# KiCad board VCF_VCA_BBD_board.kicad_pcb
title: Josh Ox Ribbon Synth VCF/VCA/BBD board; date: 2023-01-15; rev: 1.0; note: creativecommons.org/licences/by/4.0; note: license: CC by 4.0; note: Author: Jordan Aceto
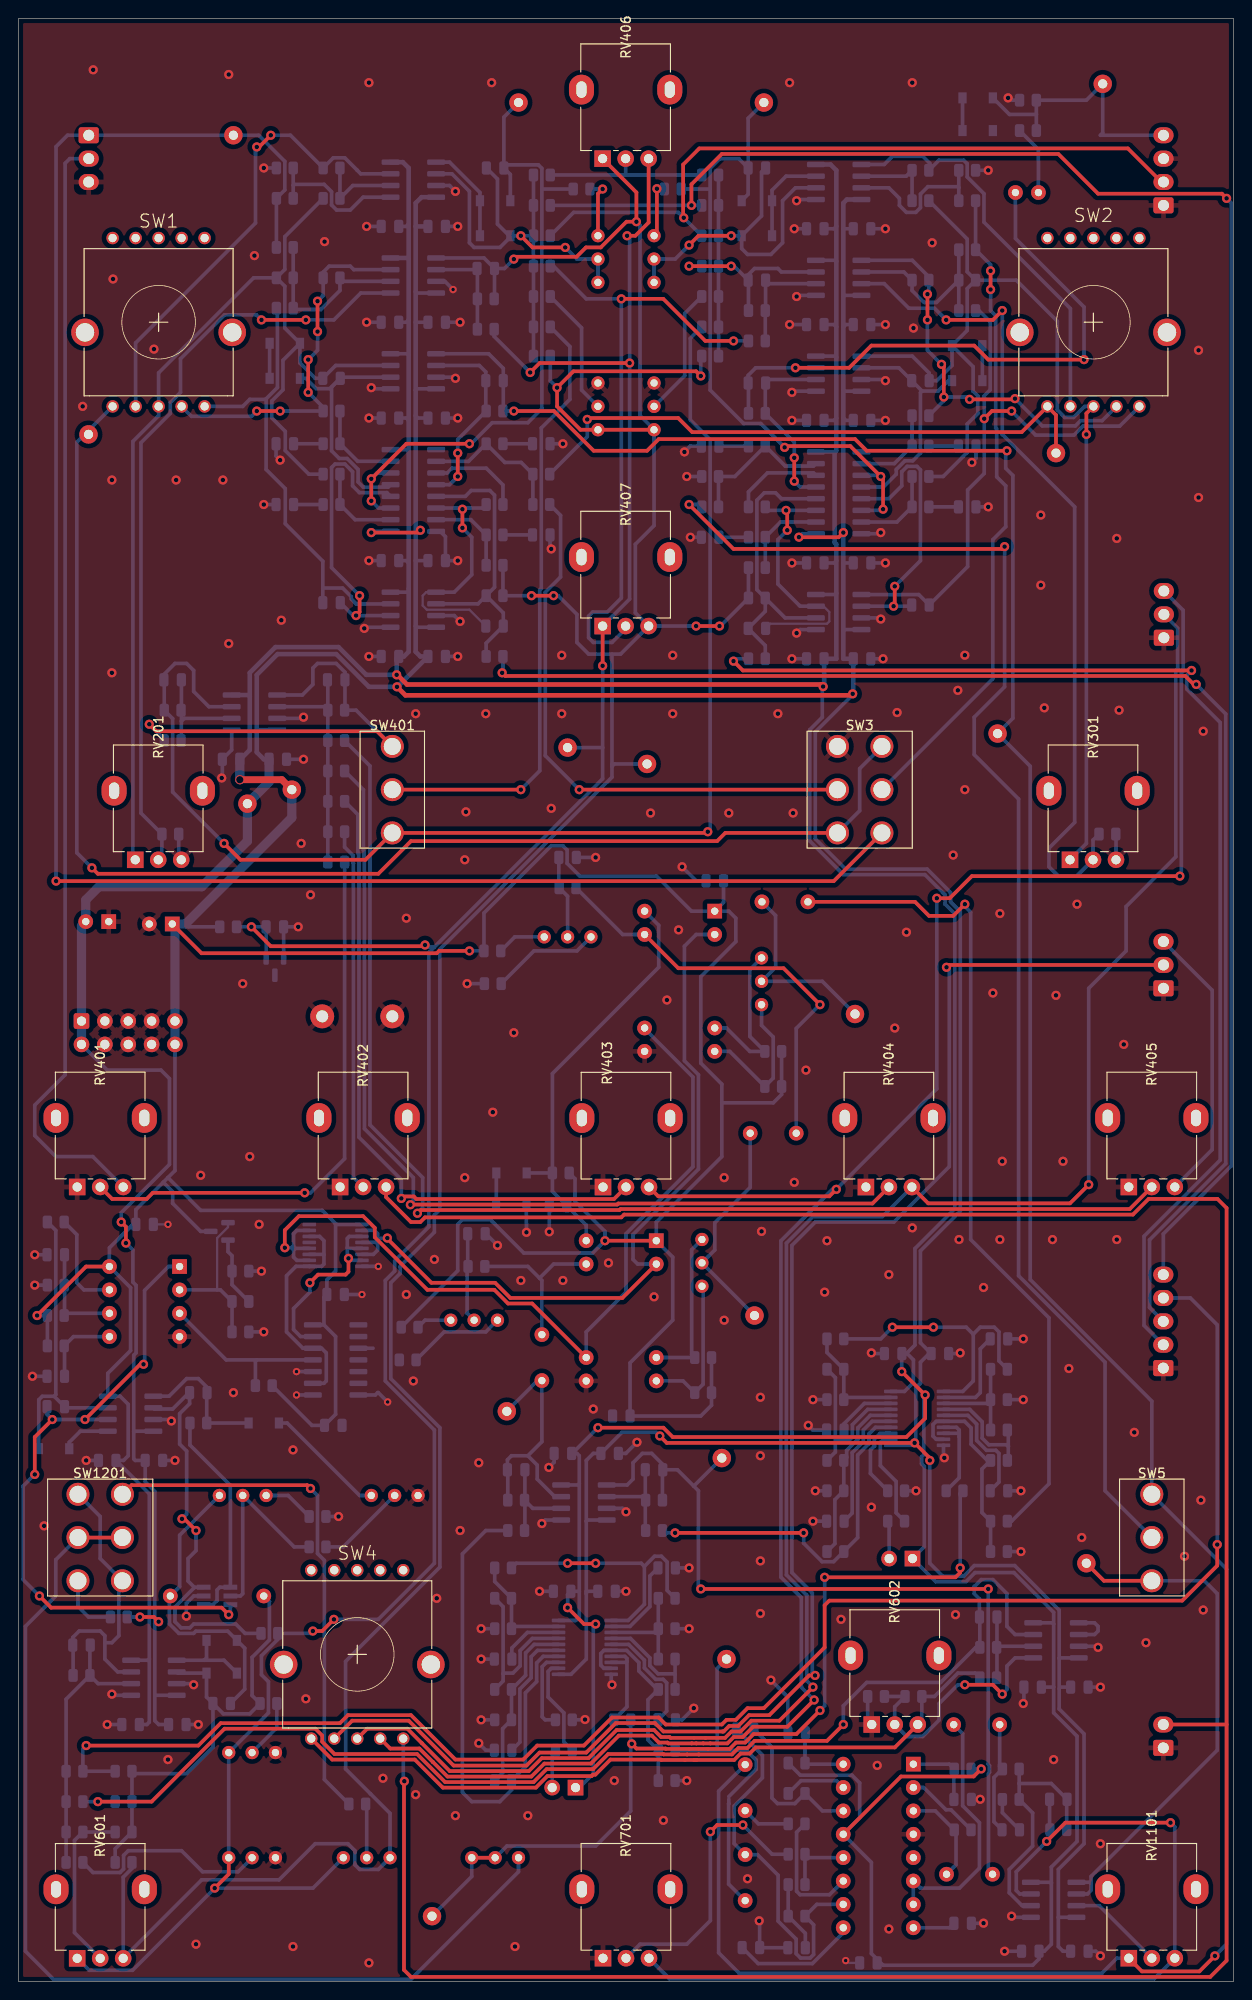
[diagram p0: board, top side]
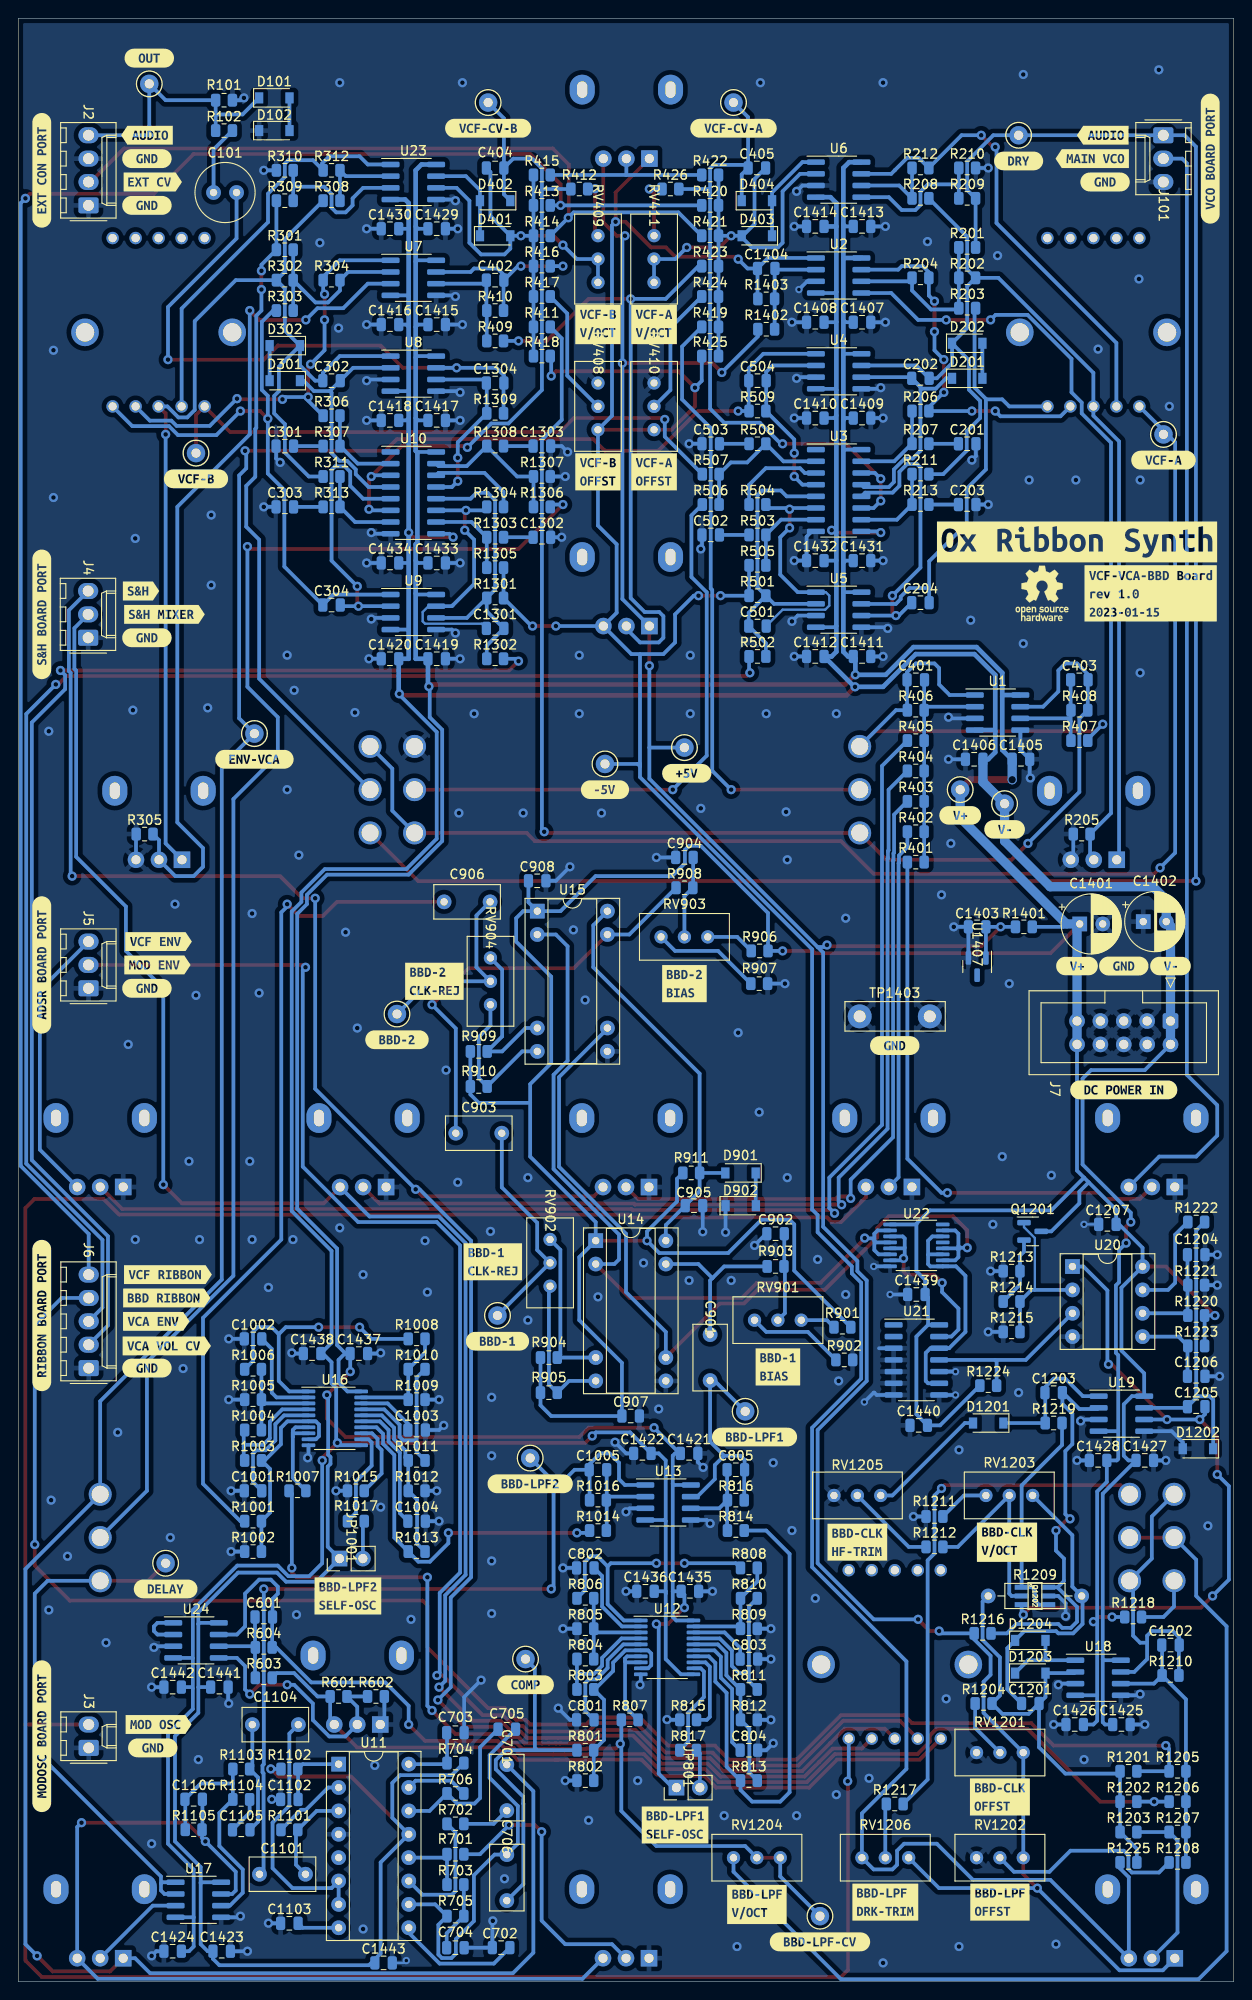
[diagram p1: board, bottom side, seen from below]

Outline 132.08 x 213.36 mm; copper layers: Top, Bottom. Coordinates in mm from the lower left corner of the outline.
Outline path: 0,213.36 0,0 132.08,0 132.08,213.36 0,213.36
Stack: Top 0.035mm / dielectric 1.51mm FR4 er 4.5 / Bottom 0.035mm

## Placement (name value [footprint] x y rotation side)
C101  10u  [C_Radial_D6.3mm_H7.0mm_P2.50mm]  108.37 194.44 0 bottom
C201  1n  [C_0805_2012Metric]  28.96 167.13 180 bottom
C202  220p C0G  [C_0805_2012Metric]  34.04 174.24 180 bottom
C203  1n  [C_0805_2012Metric]  28.96 160.53 180 bottom
C204  220p C0G  [C_0805_2012Metric]  34.04 149.86 180 bottom
C301  1n  [C_0805_2012Metric]  103.12 166.88 0 bottom
C302  220p C0G  [C_0805_2012Metric]  98.04 173.99 0 bottom
C303  1n  [C_0805_2012Metric]  103.12 160.27 0 bottom
C304  220p C0G  [C_0805_2012Metric]  98.04 149.61 0 bottom
C401  100p  [C_0805_2012Metric]  34.54 141.48 0 bottom
C402  100p  [C_0805_2012Metric]  80.26 184.91 180 bottom
C403  100p  [C_0805_2012Metric]  16.76 141.48 180 bottom
C404  100p  [C_0805_2012Metric]  80.26 197.1 180 bottom
C405  100p  [C_0805_2012Metric]  51.82 197.1 0 bottom
C501  100p  [C_0805_2012Metric]  51.75 147.32 180 bottom
C502  1n  [C_0805_2012Metric]  56.83 157.23 0 bottom
C503  1n  [C_0805_2012Metric]  56.83 167.13 0 bottom
C504  100p  [C_0805_2012Metric]  51.75 173.99 0 bottom
C601  100p  [C_0805_2012Metric]  105.41 39.62 180 bottom
C701  470n  [C_Rect_L7.0mm_W3.5mm_P5.00mm]  78.99 18.58 90 bottom
C702  220p  [C_0805_2012Metric]  79.61 3.7 0 bottom
C703  220n  [C_0805_2012Metric]  84.58 27.05 180 bottom
C704  10u  [C_0805_2012Metric]  84.58 3.68 180 bottom
C705  2u2  [C_0805_2012Metric]  78.99 27.43 180 bottom
C706  470n  [C_Rect_L7.0mm_W3.5mm_P5.00mm]  78.99 8.8 90 bottom
C801  220p C0G  [C_0805_2012Metric]  70.46 28.45 0 bottom
C802  220p C0G  [C_0805_2012Metric]  70.46 44.96 0 bottom
C803  220p C0G  [C_0805_2012Metric]  52.68 35.05 180 bottom
C804  220p C0G  [C_0805_2012Metric]  52.68 25.15 180 bottom
C805  470p  [C_0805_2012Metric]  54.1 55.63 180 bottom
C901  470n  [C_Rect_L7.0mm_W3.5mm_P5.00mm]  56.9 70.32 270 bottom
C902  10u  [C_0805_2012Metric]  49.78 81.28 0 bottom
C903  470n  [C_Rect_L7.0mm_W3.5mm_P5.00mm]  84.54 92.2 180 bottom
C904  10u  [C_0805_2012Metric]  59.69 122.17 0 bottom
C905  10u  [C_0805_2012Metric]  58.65 84.33 180 bottom
C906  470n  [C_Rect_L7.0mm_W3.5mm_P5.00mm]  85.81 117.35 180 bottom
C907  100n  [C_0805_2012Metric]  65.53 61.47 180 bottom
C908  100n  [C_0805_2012Metric]  75.69 119.63 180 bottom
C1001  220p C0G  [C_0805_2012Metric]  106.58 53.34 0 bottom
C1002  220p C0G  [C_0805_2012Metric]  106.58 69.85 0 bottom
C1003  220p C0G  [C_0805_2012Metric]  88.8 59.94 180 bottom
C1004  220p C0G  [C_0805_2012Metric]  88.8 50.04 180 bottom
C1005  470p  [C_0805_2012Metric]  69.09 55.63 0 bottom
C1101  470n  [C_Rect_L7.0mm_W3.5mm_P5.00mm]  100.88 11.67 0 bottom
C1102  220n  [C_0805_2012Metric]  102.63 19.8 0 bottom
C1103  220p  [C_0805_2012Metric]  102.63 6.34 0 bottom
C1104  470n  [C_Rect_L7.0mm_W3.5mm_P5.00mm]  106.65 27.93 180 bottom
C1105  1n  [C_0805_2012Metric]  107.86 16.5 180 bottom
C1106  33p  [C_0805_2012Metric]  113.03 19.81 0 bottom
C1201  100p  [C_0805_2012Metric]  22.1 30.23 0 bottom
C1202  100p  [C_0805_2012Metric]  6.86 36.58 180 bottom
C1203  100p  [C_0805_2012Metric]  19.56 64.01 0 bottom
C1204  10n  [C_0805_2012Metric]  4.06 78.99 180 bottom
C1205  470p  [C_0805_2012Metric]  4.06 62.48 0 bottom
C1206  330p C0G  [C_0805_2012Metric]  4.06 65.79 180 bottom
C1207  100n  [C_0805_2012Metric]  13.72 82.3 0 bottom
C1301  100p  [C_0805_2012Metric]  80.26 147.07 0 bottom
C1302  1n  [C_0805_2012Metric]  75.18 156.97 180 bottom
C1303  1n  [C_0805_2012Metric]  75.18 166.88 180 bottom
C1304  100p  [C_0805_2012Metric]  80.26 173.74 180 bottom
C1401  10u  [CP_Radial_D6.3mm_P2.50mm]  16.72 114.94 180 bottom
C1402  10u  [CP_Radial_D6.3mm_P2.50mm]  9.82 115.2 180 bottom
C1403  100n  [C_0805_2012Metric]  27.87 114.63 0 bottom
C1404  100n  [C_0805_2012Metric]  50.8 186.18 0 bottom
C1405  100n  [C_0805_2012Metric]  23.11 132.84 180 bottom
C1406  100n  [C_0805_2012Metric]  28.19 132.84 180 bottom
C1407  100n  [C_0805_2012Metric]  40.39 180.34 180 bottom
C1408  100n  [C_0805_2012Metric]  45.47 180.34 180 bottom
C1409  100n  [C_0805_2012Metric]  40.39 169.93 180 bottom
C1410  100n  [C_0805_2012Metric]  45.47 169.93 180 bottom
C1411  100n  [C_0805_2012Metric]  40.39 144.02 180 bottom
C1412  100n  [C_0805_2012Metric]  45.47 144.02 180 bottom
C1413  100n  [C_0805_2012Metric]  40.39 190.75 180 bottom
C1414  100n  [C_0805_2012Metric]  45.47 190.75 180 bottom
C1415  100n  [C_0805_2012Metric]  86.61 180.09 180 bottom
C1416  100n  [C_0805_2012Metric]  91.69 180.09 180 bottom
C1417  100n  [C_0805_2012Metric]  86.61 169.67 180 bottom
C1418  100n  [C_0805_2012Metric]  91.69 169.67 0 bottom
C1419  100n  [C_0805_2012Metric]  86.61 143.76 180 bottom
C1420  100n  [C_0805_2012Metric]  91.69 143.76 180 bottom
C1421  100n  [C_0805_2012Metric]  59.18 57.4 180 bottom
C1422  100n  [C_0805_2012Metric]  64.26 57.4 180 bottom
C1423  100n  [C_0805_2012Metric]  109.98 3.3 180 bottom
C1424  100n  [C_0805_2012Metric]  115.32 3.3 180 bottom
C1425  100n  [C_0805_2012Metric]  12.19 27.94 180 bottom
C1426  100n  [C_0805_2012Metric]  17.27 27.94 180 bottom
C1427  100n  [C_0805_2012Metric]  9.65 56.64 180 bottom
C1428  100n  [C_0805_2012Metric]  14.73 56.64 180 bottom
C1429  100n  [C_0805_2012Metric]  86.61 190.5 180 bottom
C1430  100n  [C_0805_2012Metric]  91.69 190.5 180 bottom
C1431  100n  [C_0805_2012Metric]  40.39 154.43 180 bottom
C1432  100n  [C_0805_2012Metric]  45.47 154.43 180 bottom
C1433  100n  [C_0805_2012Metric]  86.61 154.18 180 bottom
C1434  100n  [C_0805_2012Metric]  91.69 154.18 180 bottom
C1435  100n  [C_0805_2012Metric]  59.1 42.42 180 bottom
C1436  100n  [C_0805_2012Metric]  63.92 42.42 180 bottom
C1437  100n  [C_0805_2012Metric]  95.08 68.25 180 bottom
C1438  100n  [C_0805_2012Metric]  100.16 68.25 180 bottom
C1439  100n  [C_0805_2012Metric]  34.48 74.68 0 bottom
C1440  100n  [C_0805_2012Metric]  34.22 60.45 0 bottom
C1441  100n  [C_0805_2012Metric]  110.24 32 180 bottom
C1442  100n  [C_0805_2012Metric]  115.32 32 180 bottom
C1443  100n  [C_0805_2012Metric]  92.39 2.03 180 bottom
D101  2v4  [D_SOD-123]  104.27 204.72 180 bottom
D102  2v4  [D_SOD-123]  104.27 201.17 180 bottom
D201  5v1  [D_SOD-123]  28.96 174.24 180 bottom
D202  5v1  [D_SOD-123]  28.96 178.05 180 bottom
D301  5v1  [D_SOD-123]  103.12 173.99 0 bottom
D302  5v1  [D_SOD-123]  103.12 177.8 0 bottom
D401  1N4148W  [D_SOD-123]  80.26 189.74 180 bottom
D402  1N4148W  [D_SOD-123]  80.26 193.55 0 bottom
D403  1N4148W  [D_SOD-123]  51.82 189.74 0 bottom
D404  1N4148W  [D_SOD-123]  51.82 193.55 180 bottom
D901  1N4148W  [D_SOD-123]  53.59 87.88 0 bottom
D902  1N4148W  [D_SOD-123]  53.57 84.33 180 bottom
D1201  1N4148W  [D_SOD-123]  26.67 60.71 0 bottom
D1202  1N4148W  [D_SOD-123]  3.88 57.91 0 bottom
D1203  1N4148W  [D_SOD-123]  22.1 33.53 180 bottom
D1204  1N4148W  [D_SOD-123]  22.1 37.08 180 bottom
J2  ext_port  [Molex_KK-254_AE-6410-04A_1x04_P2.54mm_Vertical]  124.46 193.04 90 bottom
J3  mod_osc_port  [Molex_KK-254_AE-6410-02A_1x02_P2.54mm_Vertical]  124.44 25.4 90 bottom
J4  S&H_port  [Molex_KK-254_AE-6410-03A_1x03_P2.54mm_Vertical]  124.5 146.05 90 bottom
J5  ADSR_port  [Molex_KK-254_AE-6410-03A_1x03_P2.54mm_Vertical]  124.46 107.95 90 bottom
J6  ribbon_port  [Molex_KK-254_AE-6410-05A_1x05_P2.54mm_Vertical]  124.44 66.67 90 bottom
J7  power_entry  [IDC-Header_2x05_P2.54mm_Vertical]  6.86 104.39 270 bottom
J101  VCO_port  [Molex_KK-254_AE-6410-03A_1x03_P2.54mm_Vertical]  7.64 200.66 270 bottom
JP801  self_osc  [PinHeader_1x02_P2.54mm_Vertical]  60.56 21.08 90 bottom
JP1001  self_osc  [PinHeader_1x02_P2.54mm_Vertical]  97.18 45.97 90 bottom
kibuzzard-62AC7A9F  G***  [kibuzzard-62AC7A9F]  17.02 156.46 180 bottom
kibuzzard-62AC78CB  G***  [kibuzzard-62AC78CB]  11.94 96.91 180 bottom
kibuzzard-62AC88AD  G***  [kibuzzard-62AC88AD]  116.84 27.94 180 bottom
kibuzzard-62AC88C6  G***  [kibuzzard-62AC88C6]  116.84 113.03 180 bottom
kibuzzard-62AC88DA  G***  [kibuzzard-62AC88DA]  118.74 151.13 180 bottom
kibuzzard-62AC88EB  G***  [kibuzzard-62AC88EB]  116.2 148.59 180 bottom
kibuzzard-62AC89A8  G***  [kibuzzard-62AC89A8]  129.54 72.39 90 bottom
kibuzzard-62AC89C0  G***  [kibuzzard-62AC89C0]  129.54 110.49 90 bottom
kibuzzard-62AC89D1  G***  [kibuzzard-62AC89D1]  129.54 148.59 90 bottom
kibuzzard-62AC89EA  G***  [kibuzzard-62AC89EA]  129.54 196.85 90 bottom
kibuzzard-62AC755C  G***  [kibuzzard-62AC755C]  118.11 107.95 180 bottom
kibuzzard-62AC755C#2  G***  [kibuzzard-62AC755C]  118.11 66.67 180 bottom
kibuzzard-62AC755C#3  G***  [kibuzzard-62AC755C]  117.48 25.4 180 bottom
kibuzzard-62AC755C#4  G***  [kibuzzard-62AC755C]  36.83 101.73 180 bottom
kibuzzard-62AC755C#5  G***  [kibuzzard-62AC755C]  13.97 195.58 180 bottom
kibuzzard-62AC755C#6  G***  [kibuzzard-62AC755C]  118.11 198.12 180 bottom
kibuzzard-62AC755C#7  G***  [kibuzzard-62AC755C]  118.11 146.05 180 bottom
kibuzzard-62AC755C#8  G***  [kibuzzard-62AC755C]  11.94 110.37 180 bottom
kibuzzard-62AC755C#9  G***  [kibuzzard-62AC755C]  118.11 193.04 180 bottom
kibuzzard-62AC791A  G***  [kibuzzard-62AC791A]  17.02 110.37 180 bottom
kibuzzard-62AC792A  G***  [kibuzzard-62AC792A]  6.86 110.37 180 bottom
kibuzzard-62AC892A  G***  [kibuzzard-62AC892A]  14.22 200.66 180 bottom
kibuzzard-62AC892A#2  G***  [kibuzzard-62AC892A]  118.11 200.66 180 bottom
kibuzzard-62AC8908  G***  [kibuzzard-62AC8908]  117.48 195.58 180 bottom
kibuzzard-62AC8974  G***  [kibuzzard-62AC8974]  2.54 198.12 90 bottom
kibuzzard-62AC8994  G***  [kibuzzard-62AC8994]  129.54 26.67 90 bottom
kibuzzard-63B9EFCB  G***  [kibuzzard-63B9EFCB]  116.97 110.49 180 bottom
kibuzzard-63B9EFF1  G***  [kibuzzard-63B9EFF1]  115.82 76.83 180 bottom
kibuzzard-63B9EFFD  G***  [kibuzzard-63B9EFFD]  115.95 74.29 180 bottom
kibuzzard-63B9F00A  G***  [kibuzzard-63B9F00A]  117.09 71.75 180 bottom
kibuzzard-63B9F01B  G***  [kibuzzard-63B9F01B]  115.95 69.09 180 bottom
kibuzzard-63B89AF0  G***  [kibuzzard-63B89AF0]  62.99 180.09 180 bottom
kibuzzard-63B89B2D  G***  [kibuzzard-63B89B2D]  69.09 164.08 180 bottom
kibuzzard-63B89B7A  G***  [kibuzzard-63B89B7A]  49.53 66.8 180 bottom
kibuzzard-63B89B17  G***  [kibuzzard-63B89B17]  69.09 180.09 180 bottom
kibuzzard-63B89B53  G***  [kibuzzard-63B89B53]  62.99 164.08 180 bottom
kibuzzard-63B89B91  G***  [kibuzzard-63B89B91]  59.69 108.46 180 bottom
kibuzzard-63B89BAB  G***  [kibuzzard-63B89BAB]  86.87 108.71 180 bottom
kibuzzard-63B89BB7  G***  [kibuzzard-63B89BB7]  80.52 78.23 180 bottom
kibuzzard-63B89BDE  G***  [kibuzzard-63B89BDE]  24.63 47.75 180 bottom
kibuzzard-63B89BF5  G***  [kibuzzard-63B89BF5]  40.89 47.75 180 bottom
kibuzzard-63B89C1D  G***  [kibuzzard-63B89C1D]  25.4 20.07 180 bottom
kibuzzard-63B89C2A  G***  [kibuzzard-63B89C2A]  25.4 8.64 180 bottom
kibuzzard-63B89C3A  G***  [kibuzzard-63B89C3A]  51.82 8.38 180 bottom
kibuzzard-63B89C69  G***  [kibuzzard-63B89C69]  37.86 8.64 180 bottom
kibuzzard-63B99CE9  G***  [kibuzzard-63B99CE9]  68.33 129.54 180 bottom
kibuzzard-63B99D3B  G***  [kibuzzard-63B99D3B]  90.93 102.36 180 bottom
kibuzzard-63B99D19  G***  [kibuzzard-63B99D19]  80.01 69.6 180 bottom
kibuzzard-63B99DF4  G***  [kibuzzard-63B99DF4]  52.07 59.18 180 bottom
kibuzzard-63B99E16  G***  [kibuzzard-63B99E16]  76.96 32.26 180 bottom
kibuzzard-63B99E58  G***  [kibuzzard-63B99E58]  44.96 4.32 180 bottom
kibuzzard-63B99E75  G***  [kibuzzard-63B99E75]  76.45 54.1 180 bottom
kibuzzard-63B99E91  G***  [kibuzzard-63B99E91]  7.62 165.35 180 bottom
kibuzzard-63B99EAB  G***  [kibuzzard-63B99EAB]  54.36 201.42 180 bottom
kibuzzard-63B99EC6  G***  [kibuzzard-63B99EC6]  81.03 201.42 180 bottom
kibuzzard-63B99EF8  G***  [kibuzzard-63B99EF8]  112.78 163.32 180 bottom
kibuzzard-63B99F1E  G***  [kibuzzard-63B99F1E]  116.08 42.67 180 bottom
kibuzzard-63B99F4A  G***  [kibuzzard-63B99F4A]  59.44 131.32 180 bottom
kibuzzard-63B99F8A  G***  [kibuzzard-63B99F8A]  23.37 197.87 180 bottom
kibuzzard-63B99F71  G***  [kibuzzard-63B99F71]  106.43 132.84 180 bottom
kibuzzard-63B99FA2  G***  [kibuzzard-63B99FA2]  117.86 209.04 180 bottom
kibuzzard-63B99FDB  G***  [kibuzzard-63B99FDB]  29.72 126.75 180 bottom
kibuzzard-63B99FFA  G***  [kibuzzard-63B99FFA]  24.89 125.22 180 bottom
kibuzzard-63B9873F  G***  [kibuzzard-63B9873F]  60.71 17.02 180 bottom
kibuzzard-63B98756  G***  [kibuzzard-63B98756]  96.27 41.91 180 bottom
kibuzzard-63C31E68  G***  [kibuzzard-63C31E68]  15.37 198.12 180 bottom
kibuzzard-63C4069B  G***  [kibuzzard-63C4069B]  9.02 150.88 180 bottom
Q1201  MMBT3904  [SOT-23]  21.84 81.53 180 bottom
Q1202  BCM847  [SOT457]  21.59 41.91 270 bottom
R101  100k  [R_0805_2012Metric]  109.73 204.47 180 bottom
R102  1k  [R_0805_2012Metric]  109.73 201.17 0 bottom
R201  30k  [R_0805_2012Metric]  28.96 188.47 0 bottom
R202  390k  [R_0805_2012Metric]  28.96 185.17 0 bottom
R203  30k  [R_0805_2012Metric]  28.96 181.86 180 bottom
R204  30k  [R_0805_2012Metric]  34.04 185.17 180 bottom
R205  10k  [R_0805_2012Metric]  16.51 124.71 0 bottom
R206  30k  [R_0805_2012Metric]  34.04 170.69 0 bottom
R207  270  [R_0805_2012Metric]  34.04 167.13 180 bottom
R208  30k  [R_0805_2012Metric]  34.04 193.8 0 bottom
R209  30k  [R_0805_2012Metric]  28.96 193.8 0 bottom
R210  30k  [R_0805_2012Metric]  28.96 197.1 180 bottom
R211  30k  [R_0805_2012Metric]  34.04 163.83 0 bottom
R212  30k  [R_0805_2012Metric]  34.04 197.1 180 bottom
R213  270  [R_0805_2012Metric]  34.04 160.53 180 bottom
R301  30k  [R_0805_2012Metric]  103.12 188.21 180 bottom
R302  390k  [R_0805_2012Metric]  103.12 184.91 180 bottom
R303  30k  [R_0805_2012Metric]  103.12 181.61 0 bottom
R304  30k  [R_0805_2012Metric]  98.04 184.91 0 bottom
R305  10k  [R_0805_2012Metric]  118.36 124.71 0 bottom
R306  30k  [R_0805_2012Metric]  98.04 170.18 180 bottom
R307  270  [R_0805_2012Metric]  98.04 166.88 0 bottom
R308  30k  [R_0805_2012Metric]  98.04 193.55 180 bottom
R309  30k  [R_0805_2012Metric]  103.12 193.55 180 bottom
R310  30k  [R_0805_2012Metric]  103.12 196.85 0 bottom
R311  30k  [R_0805_2012Metric]  98.04 163.58 180 bottom
R312  30k  [R_0805_2012Metric]  98.04 196.85 0 bottom
R313  270  [R_0805_2012Metric]  98.04 160.27 0 bottom
R401  100k  [R_0805_2012Metric]  34.54 121.67 180 bottom
R402  100k  [R_0805_2012Metric]  34.54 124.97 180 bottom
R403  100k  [R_0805_2012Metric]  34.54 128.27 180 bottom
R404  100k  [R_0805_2012Metric]  34.54 131.57 180 bottom
R405  100k  [R_0805_2012Metric]  34.54 134.87 180 bottom
R406  100k  [R_0805_2012Metric]  34.54 138.18 0 bottom
R407  100k  [R_0805_2012Metric]  16.76 134.87 0 bottom
R408  100k  [R_0805_2012Metric]  16.76 138.18 180 bottom
R409  100k  [R_0805_2012Metric]  80.26 178.31 0 bottom
R410  100k  [R_0805_2012Metric]  80.26 181.61 180 bottom
R411  100k  [R_0805_2012Metric]  75.18 179.83 0 bottom
R412  18k  [R_0805_2012Metric]  71.12 194.82 0 bottom
R413  100k  [R_0805_2012Metric]  75.18 193.04 0 bottom
R414  100k  [R_0805_2012Metric]  75.18 189.74 0 bottom
R415  100k  [R_0805_2012Metric]  75.18 196.34 0 bottom
R416  390k  [R_0805_2012Metric]  75.18 186.44 0 bottom
R417  100k  [R_0805_2012Metric]  75.18 183.13 0 bottom
R418  220k  [R_0805_2012Metric]  75.18 176.66 180 bottom
R419  100k  [R_0805_2012Metric]  56.9 179.83 180 bottom
R420  100k  [R_0805_2012Metric]  56.9 193.04 180 bottom
R421  100k  [R_0805_2012Metric]  56.9 189.74 180 bottom
R422  100k  [R_0805_2012Metric]  56.9 196.34 180 bottom
R423  390k  [R_0805_2012Metric]  56.9 186.44 180 bottom
R424  100k  [R_0805_2012Metric]  56.9 183.13 180 bottom
R425  220k  [R_0805_2012Metric]  56.9 176.66 180 bottom
R426  18k  [R_0805_2012Metric]  61.21 194.82 180 bottom
R501  10M  [R_0805_2012Metric]  51.75 150.62 180 bottom
R502  100k  [R_0805_2012Metric]  51.75 144.02 180 bottom
R503  270  [R_0805_2012Metric]  51.75 157.23 0 bottom
R504  4k7  [R_0805_2012Metric]  51.75 160.53 0 bottom
R505  100k  [R_0805_2012Metric]  51.75 153.92 180 bottom
R506  30k  [R_0805_2012Metric]  56.83 160.53 180 bottom
R507  30k  [R_0805_2012Metric]  56.83 163.83 180 bottom
R508  270  [R_0805_2012Metric]  51.75 167.13 0 bottom
R509  30k  [R_0805_2012Metric]  51.75 170.69 0 bottom
R601  100k  [R_0805_2012Metric]  97.28 30.99 0 bottom
R602  100k  [R_0805_2012Metric]  93.22 30.99 0 bottom
R603  100k  [R_0805_2012Metric]  105.41 33.02 0 bottom
R604  100k  [R_0805_2012Metric]  105.41 36.32 180 bottom
R701  150k  [R_0805_2012Metric]  84.58 13.84 180 bottom
R702  100k  [R_0805_2012Metric]  84.58 17.14 180 bottom
R703  22k  [R_0805_2012Metric]  84.58 10.54 0 bottom
R704  2M2  [R_0805_2012Metric]  84.58 23.75 0 bottom
R705  22k  [R_0805_2012Metric]  84.58 7.11 180 bottom
R706  10k  [R_0805_2012Metric]  84.58 20.45 180 bottom
R801  10k  [R_0805_2012Metric]  70.46 25.15 180 bottom
R802  200  [R_0805_2012Metric]  70.46 21.84 0 bottom
R803  10k  [R_0805_2012Metric]  70.46 31.75 0 bottom
R804  10k  [R_0805_2012Metric]  70.46 35.05 180 bottom
R805  200  [R_0805_2012Metric]  70.46 38.35 0 bottom
R806  10k  [R_0805_2012Metric]  70.46 41.66 0 bottom
R807  51k  [R_0805_2012Metric]  65.64 28.45 180 bottom
R808  10k  [R_0805_2012Metric]  52.68 44.96 180 bottom
R809  200  [R_0805_2012Metric]  52.68 38.35 180 bottom
R810  10k  [R_0805_2012Metric]  52.68 41.66 180 bottom
R811  10k  [R_0805_2012Metric]  52.68 31.75 0 bottom
R812  200  [R_0805_2012Metric]  52.68 28.45 180 bottom
R813  10k  [R_0805_2012Metric]  52.68 21.84 0 bottom
R814  10k  [R_0805_2012Metric]  54.1 49.02 0 bottom
R815  1k  [R_0805_2012Metric]  59.29 28.45 0 bottom
R816  12k  [R_0805_2012Metric]  54.1 52.32 180 bottom
R817  56k  [R_0805_2012Metric]  59.29 25.15 180 bottom
R901  4k7  [R_0805_2012Metric]  42.52 71.12 0 bottom
R902  4k7  [R_0805_2012Metric]  42.31 67.56 180 bottom
R903  100k  [R_0805_2012Metric]  49.78 77.72 180 bottom
R904  100k  [R_0805_2012Metric]  74.42 67.82 180 bottom
R905  100k  [R_0805_2012Metric]  74.42 64.01 180 bottom
R906  4k7  [R_0805_2012Metric]  51.52 112.01 0 bottom
R907  4k7  [R_0805_2012Metric]  51.56 108.46 180 bottom
R908  100k  [R_0805_2012Metric]  59.69 118.87 180 bottom
R909  100k  [R_0805_2012Metric]  82.04 101.09 180 bottom
R910  100k  [R_0805_2012Metric]  82.04 97.28 180 bottom
R911  10k  [R_0805_2012Metric]  58.95 87.88 180 bottom
R1001  10k  [R_0805_2012Metric]  106.58 50.04 180 bottom
R1002  200  [R_0805_2012Metric]  106.58 46.74 0 bottom
R1003  10k  [R_0805_2012Metric]  106.58 56.64 0 bottom
R1004  10k  [R_0805_2012Metric]  106.58 59.94 180 bottom
R1005  200  [R_0805_2012Metric]  106.58 63.25 0 bottom
R1006  10k  [R_0805_2012Metric]  106.58 66.55 0 bottom
R1007  51k  [R_0805_2012Metric]  101.75 53.34 180 bottom
R1008  10k  [R_0805_2012Metric]  88.8 69.85 180 bottom
R1009  200  [R_0805_2012Metric]  88.8 63.25 180 bottom
R1010  10k  [R_0805_2012Metric]  88.8 66.55 180 bottom
R1011  10k  [R_0805_2012Metric]  88.8 56.64 0 bottom
R1012  200  [R_0805_2012Metric]  88.8 53.34 180 bottom
R1013  10k  [R_0805_2012Metric]  88.8 46.74 0 bottom
R1014  10k  [R_0805_2012Metric]  69.09 49.02 180 bottom
R1015  1k  [R_0805_2012Metric]  95.4 53.34 0 bottom
R1016  12k  [R_0805_2012Metric]  69.09 52.32 0 bottom
R1017  56k  [R_0805_2012Metric]  95.4 50.04 180 bottom
R1101  10k  [R_0805_2012Metric]  102.63 16.5 180 bottom
R1102  2M2  [R_0805_2012Metric]  102.63 23.1 180 bottom
R1103  68k  [R_0805_2012Metric]  107.86 23.1 180 bottom
R1104  100k  [R_0805_2012Metric]  107.86 19.8 180 bottom
R1105  270k  [R_0805_2012Metric]  113.03 16.51 0 bottom
R1201  100k  [R_0805_2012Metric]  11.43 22.86 0 bottom
R1202  1M  [R_0805_2012Metric]  11.43 19.56 0 bottom
R1203  200k  [R_0805_2012Metric]  11.43 16.26 0 bottom
R1204  2M2  [R_0805_2012Metric]  27.18 30.23 180 bottom
R1205  100k  [R_0805_2012Metric]  6.1 22.86 180 bottom
R1206  1M  [R_0805_2012Metric]  6.1 19.56 180 bottom
R1207  200k  [R_0805_2012Metric]  6.1 16.26 180 bottom
R1208  200k  [R_0805_2012Metric]  6.1 12.95 180 bottom
R1209  2k 3300ppm/C PTC  [R_Axial_DIN0207_L6.3mm_D2.5mm_P10.16mm_Horizontal]  26.67 41.91 180 bottom
R1210  110k  [R_0805_2012Metric]  6.86 33.27 180 bottom
R1211  330  [R_0805_2012Metric]  32.51 50.55 180 bottom
R1212  220k  [R_0805_2012Metric]  32.51 47.24 180 bottom
R1213  15k  [R_0805_2012Metric]  24.13 77.22 180 bottom
R1214  22k  [R_0805_2012Metric]  24.13 73.91 180 bottom
R1215  5k6  [R_0805_2012Metric]  24.13 70.61 180 bottom
R1216  47k  [R_0805_2012Metric]  27.28 37.85 180 bottom
R1217  1M  [R_0805_2012Metric]  36.83 19.3 0 bottom
R1218  100k  [R_0805_2012Metric]  10.92 39.62 180 bottom
R1219  10k  [R_0805_2012Metric]  19.56 60.71 180 bottom
R1220  10k  [R_0805_2012Metric]  4.06 72.39 180 bottom
R1221  10k  [R_0805_2012Metric]  4.06 75.69 0 bottom
R1222  2k2  [R_0805_2012Metric]  4.06 82.55 0 bottom
R1223  6k8  [R_0805_2012Metric]  4.06 69.09 0 bottom
R1224  10k  [R_0805_2012Metric]  26.67 64.77 0 bottom
R1225  470k  [R_0805_2012Metric]  11.43 12.95 180 bottom
R1301  10M  [R_0805_2012Metric]  80.26 150.37 0 bottom
R1302  100k  [R_0805_2012Metric]  80.26 143.76 0 bottom